# Altium PCB linux_corePCB.PcbDoc
Units mm, origin at the board's own origin, x right, y up, seen from the top; angles counter-clockwise.
Board outline 46 x 36 mm, 2 copper layers (Top Layer, Bottom Layer); 238 components, 260 nets, 1181 pads, 0 vias.
Unrouted connection lines stored in the file: 508.
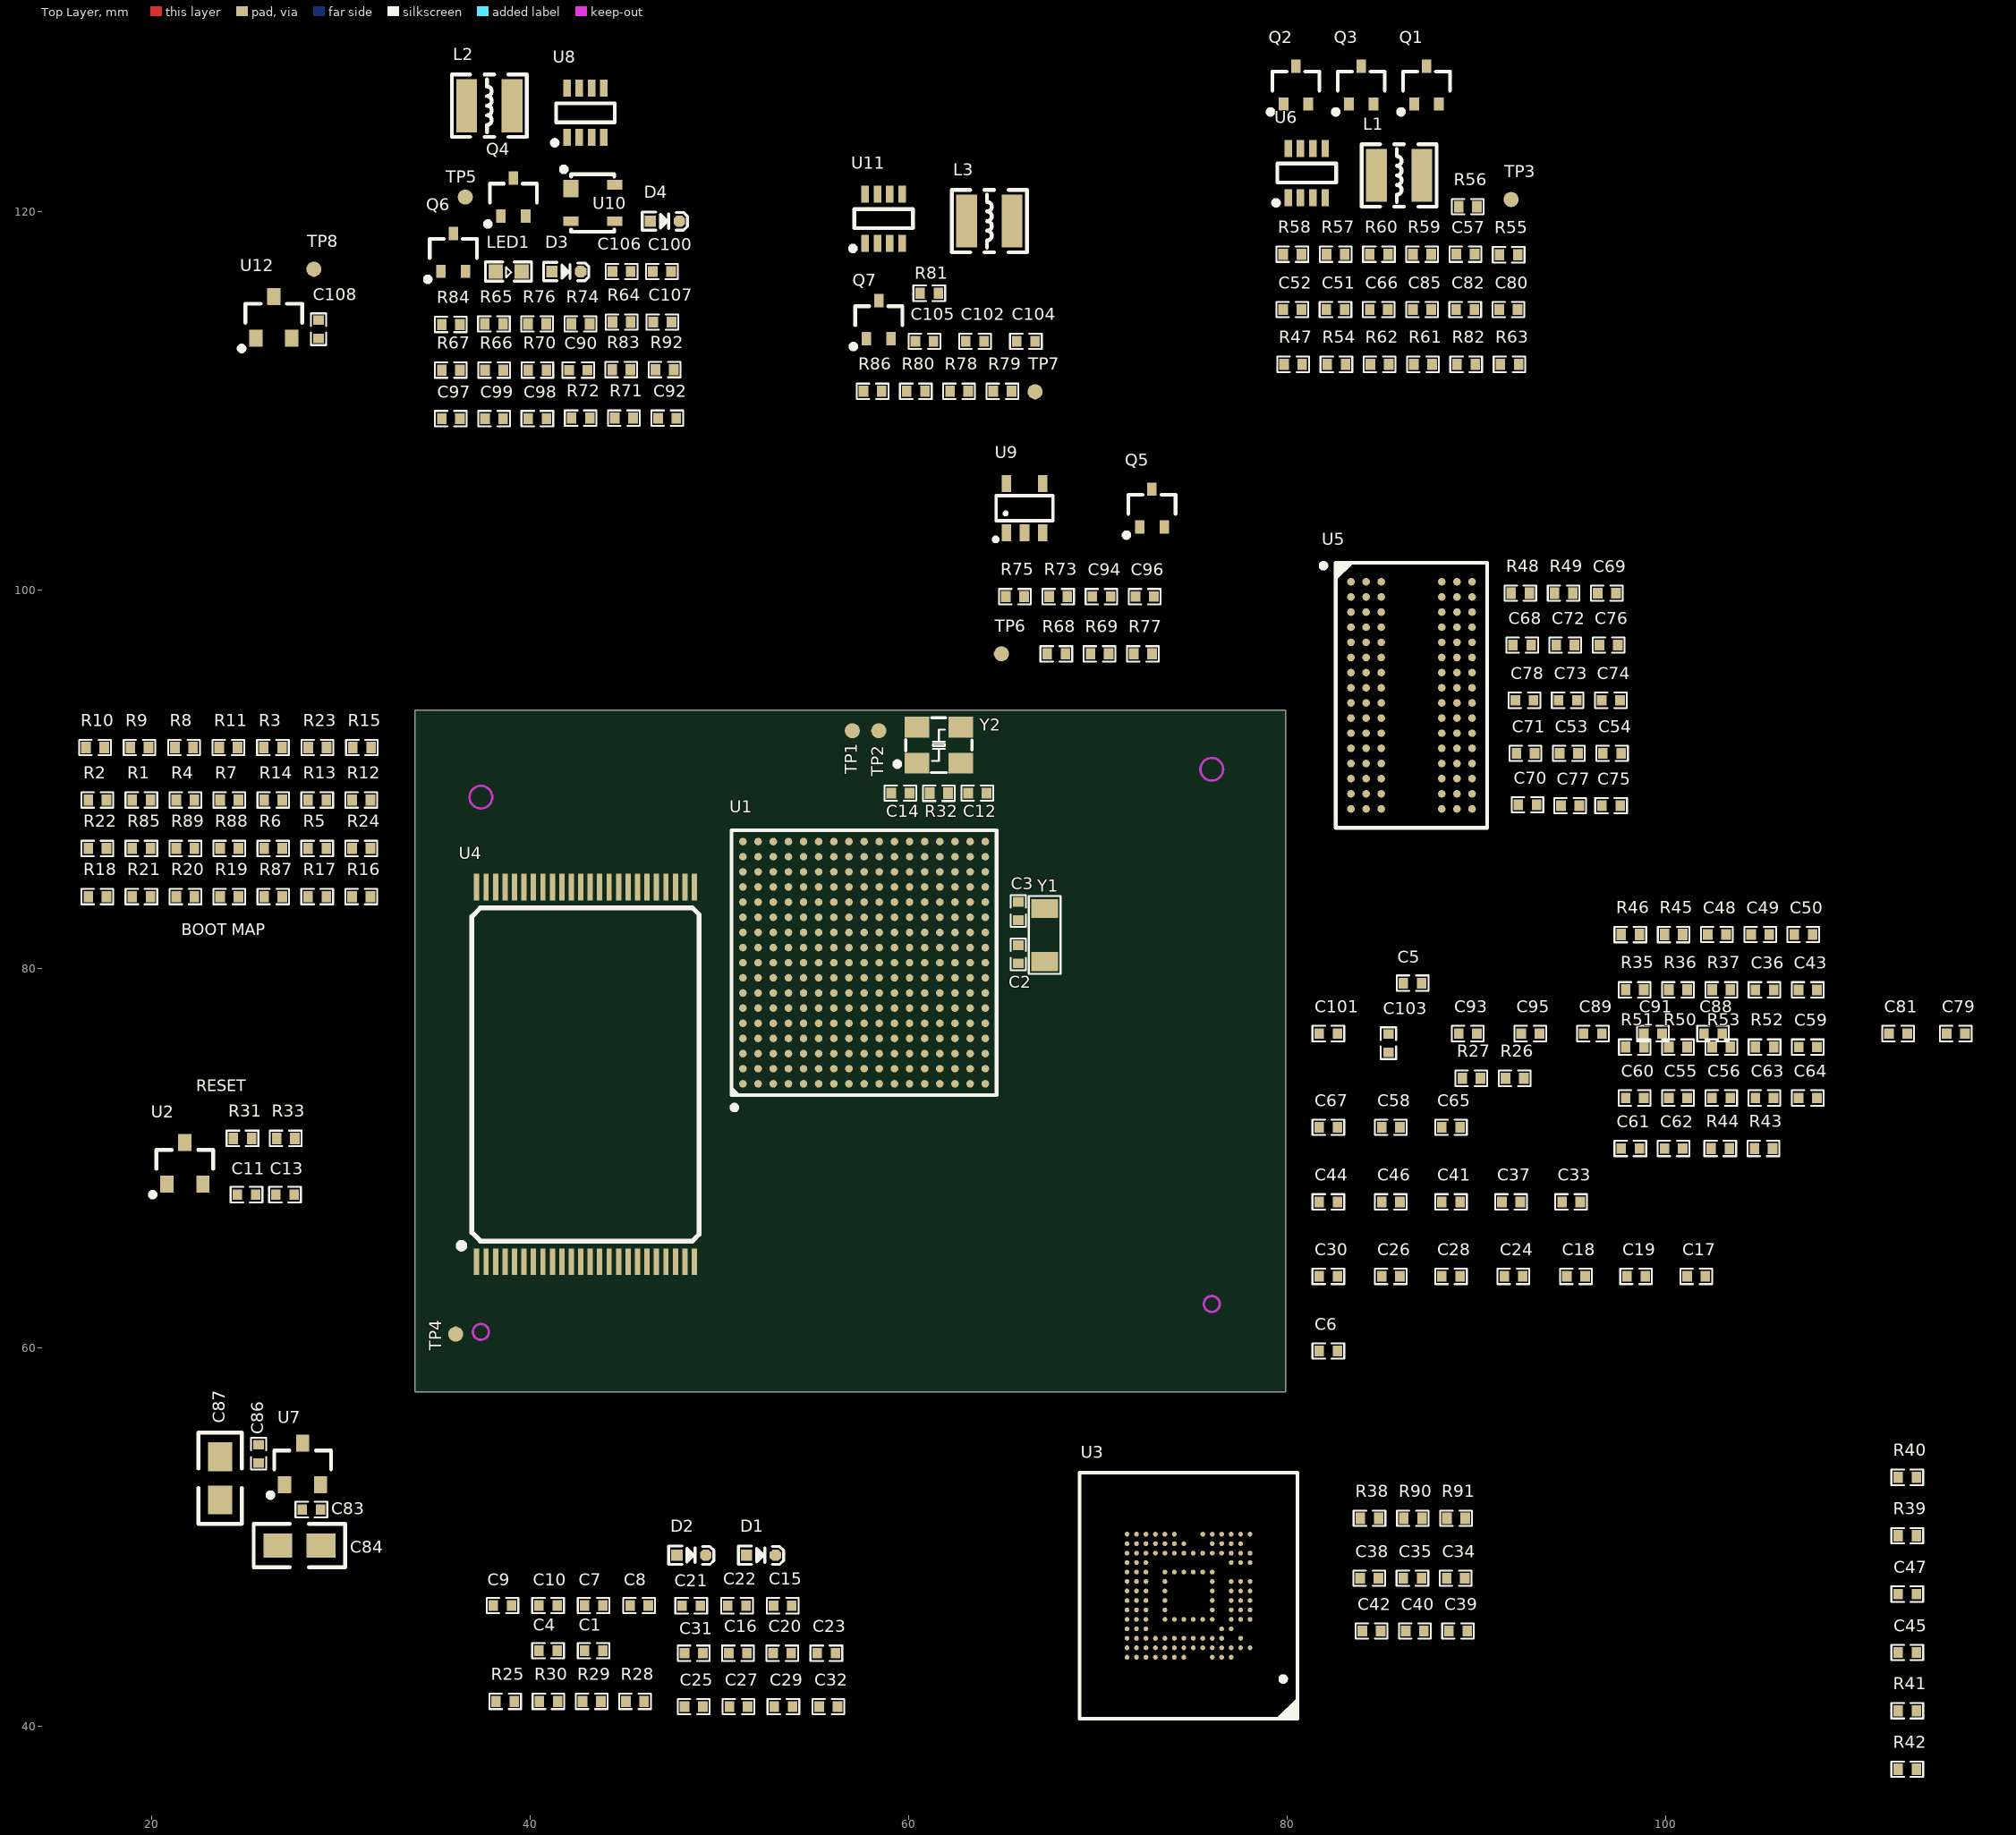
[diagram p0: Top Layer view]
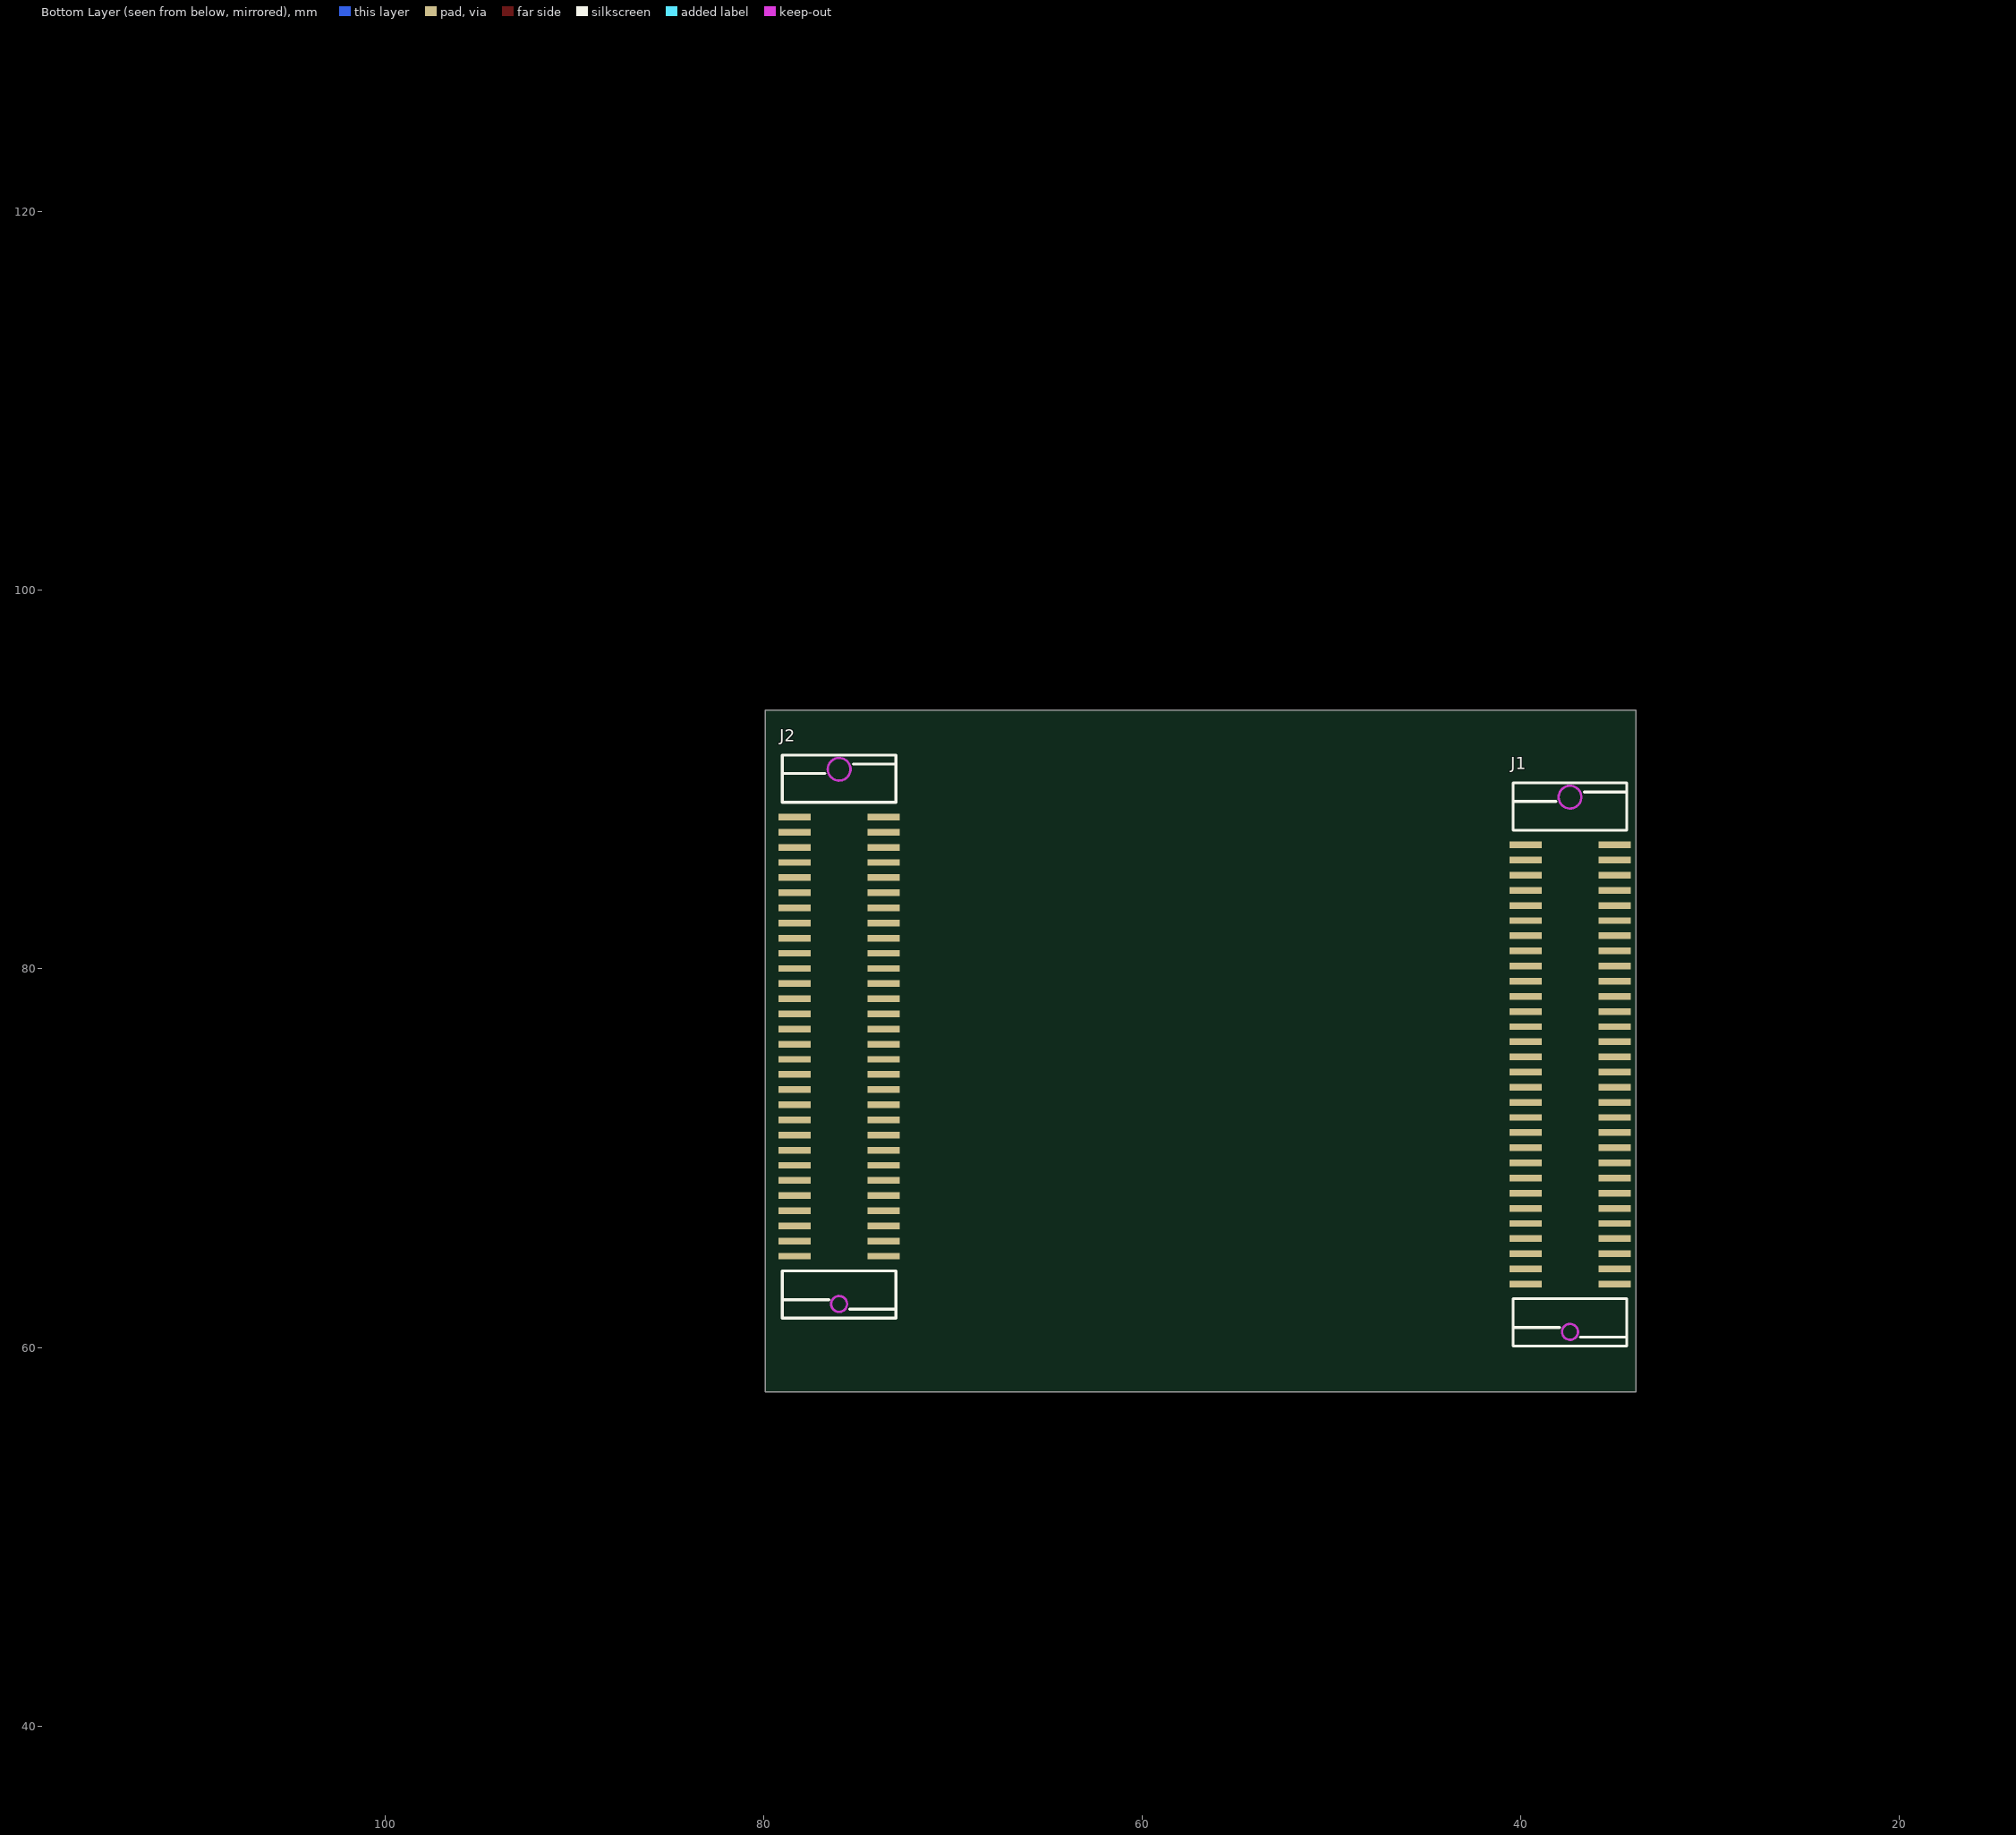
[diagram p1: Bottom Layer view, seen from below]

## Layer stack, top to bottom
Top Solder: solder mask 0.0102, Solder Resist, Dk 3.5
Top Layer: signal copper 0.0356
Dielectric 1: dielectric 0.32, FR-4, Dk 4.8
Bottom Layer: signal copper 0.0356
Bottom Solder: solder mask 0.0102, Solder Resist, Dk 3.5

## Board outline
33.909,57.658 33.909,93.658 79.909,93.658 79.909,57.658

## Design rules (kind name [scope] priority, off if disabled: settings)
Clearance [All] p1: gap=0.254 ignorepadtopadclearanceinfootprint=FALSE except(0: Arc-Hole Track-Hole SMDPad-Hole THPad-Hole Via-Hole Fill-Hole Poly-Hole Region-Hole Text-Hole)
PolygonConnect [All] p1: connectstyle=Relief reliefconductorwidth=0.254 reliefentries=4 polygonreliefangle="90 Angle" airgapwidth=0.254
RoutingVias [All] p1: holewidth=0.711 width=1.27 viastyle="Through Hole" minholewidth=0.711 minwidth=1.27 maxholewidth=0.711 maxwidth=1.27
SolderMaskExpansion [All] p1: expansion=0.102
Width [All] p1: maxlimit=0.254 minlimit=0.254 preferedwidth=0.254
30 further rules are at their usual default settings.

## Classes and differential pairs
component class IMX6ULL_CORE_sch8: C79 C80 C81 C82 C83 C84 C85 C86 C87 C88 C89 C90 C91 C92 C93 C94 C95 C96 C97 C98 C99 C100 C101 C102 C103 C104 C105 C106 C107 C108 D3 D4 L1 L2 L3 LED1 Q1 Q2 Q3 Q4 Q5 Q6 Q7 R56 R57 R58 R59 R60 R61 R62 R63 R64 R65 R66 R67 R68 R69 R70 R71 R72 R73 R74 R75 R76 R77 R78 R79 R80 R81 R82 R83 R84 R86 R92 TP3 TP4 TP5 TP6 TP7 TP8 U6 U7 U8 U9 U10 U11 U12
component class IMX6ULL_CORE_sch7: J1 J2 TP1 TP2
component class IMX6ULL_CORE_sch6: C51 C52 C53 C54 C55 C56 C57 C58 C59 C60 C61 C62 C63 C64 C65 C66 C67 C68 C69 C70 C71 C72 C73 C74 C75 C76 C77 C78 R47 R48 R49 R50 R51 R52 R53 R54 R55 U5
component class IMX6ULL_CORE_sch5: C48 C49 C50 R43 R44 R45 R46
component class IMX6ULL_CORE_sch4: C33 C34 C35 C36 C37 C38 C39 C40 C41 C42 C43 C44 C45 C46 C47 R35 R36 R37 R38 R39 R40 R41 R42 R90 R91 U3 U4
component class IMX6ULL_CORE_sch3: C15 C16 C17 C18 C19 C20 C21 C22 C23 C24 C25 C26 C27 C28 C29 C30 C31 C32 D1 D2 R34 U1
component class IMX6ULL_CORE_sch2: C1 C2 C3 C4 C5 C6 C7 C8 C9 C10 C11 C12 C13 C14 R25 R26 R27 R28 R29 R30 R31 R32 R33 U2 Y1 Y2
component class IMX6ULL_CORE_sch1: R1 R2 R3 R4 R5 R6 R7 R8 R9 R10 R11 R12 R13 R14 R15 R16 R17 R18 R19 R20 R21 R22 R23 R24 R85 R87 R88 R89

## Components (designator, comment, footprint, x,y, rotation, side; value= is the part's Value field where it differs from the comment)
C1 "104" "C 0402" 43.358,43.978 r0 top
C2 "104" "C 0402" 65.786,80.772 r270 top
C3 "104" "C 0402" 65.786,83.058 r90 top
C4 "104" "C 0402" 40.95,43.978 r0 top
C5 "104" "C 0402" 86.614,79.248 r180 top
C6 "104" "C 0402" 82.169,59.817 r0 top
C7 "104" "C 0402" 43.358,46.366 r0 top
C8 "104" "C 0402" 45.766,46.366 r0 top
C9 "104" "C 0402" 38.542,46.366 r0 top
C10 "104" "C 0402" 40.95,46.366 r0 top
C11 "104" "C 0402" 25.019,68.072 r0 top
C12 "104" "C 0402" 63.627,89.281 r0 top
C13 "104" "C 0402" 27.051,68.072 r0 top
C14 "104" "C 0402" 59.563,89.281 r0 top
C15 "104" "C 0402" 53.34,46.355 r0 top
C16 "104" "C 0402" 50.977,43.844 r0 top
C17 "104" "C 0402" 101.6,63.754 r0 top
C18 "104" "C 0402" 95.25,63.754 r0 top
C19 "104" "C 0402" 98.425,63.754 r0 top
C20 "104" "C 0402" 53.314,43.844 r0 top
C21 "104" "C 0402" 48.514,46.355 r0 top
C22 "104" "C 0402" 50.927,46.355 r0 top
C23 "104" "C 0402" 55.651,43.844 r0 top
C24 "104" "C 0402" 91.948,63.754 r0 top
C25 "104" "C 0402" 48.64,41.021 r0 top
C26 "104" "C 0402" 85.471,63.754 r0 top
C27 "104" "C 0402" 51.011,41.021 r0 top
C28 "104" "C 0402" 88.646,63.754 r0 top
C29 "104" "C 0402" 53.382,41.021 r0 top
C30 "104" "C 0402" 82.169,63.754 r0 top
C31 "104" "C 0402" 48.64,43.844 r0 top
C32 "104" "C 0402" 55.753,41.021 r0 top
C33 "104" "C 0402" 94.996,67.691 r0 top
C34 "104" "C 0402" 88.896,47.812 r0 top
C35 "104" "C 0402" 86.612,47.812 r0 top
C36 "104" "C 0402" 105.208,78.892 r0 top
C37 "104" "C 0402" 91.821,67.691 r0 top
C38 "104" "C 0402" 84.327,47.812 r0 top
C39 "104" "C 0402" 89.018,45.018 r0 top
C40 "104" "C 0402" 86.734,45.018 r0 top
C41 "104" "C 0402" 88.646,67.691 r0 top
C42 "104" "C 0402" 84.449,45.018 r0 top
C43 "104" "C 0402" 107.493,78.892 r0 top
C44 "104" "C 0402" 82.169,67.691 r0 top
C45 "104" "C 0402" 112.75,43.885 r0 top
C46 "104" "C 0402" 85.471,67.691 r0 top
C47 "104" "C 0402" 112.75,46.969 r0 top
C48 "104" "C 0402" 102.694,81.813 r0 top
C49 "104" "C 0402" 104.978,81.813 r0 top
C50 "104" "C 0402" 107.263,81.813 r0 top
C51 "104" "C 0402" 82.546,114.836 r0 top
C52 "104" "C 0402" 80.262,114.836 r0 top
C53 "104" "C 0402" 94.869,91.389 r0 top
C54 "104" "C 0402" 97.153,91.389 r0 top
C55 "104" "C 0402" 100.636,73.177 r0 top
C56 "104" "C 0402" 102.921,73.177 r0 top
C57 "104" "C 0402" 89.407,117.757 r0 top
C58 "104" "C 0402" 85.471,71.628 r0 top
C59 "104" "C 0402" 107.496,75.87 r0 top
C60 "104" "C 0402" 98.352,73.177 r0 top
C61 "104" "C 0402" 98.122,70.51 r0 top
C62 "104" "C 0402" 100.406,70.51 r0 top
C63 "104" "C 0402" 105.205,73.177 r0 top
C64 "104" "C 0402" 107.49,73.177 r0 top
C65 "104" "C 0402" 88.646,71.628 r0 top
C66 "104" "C 0402" 84.83,114.836 r0 top
C67 "104" "C 0402" 82.169,71.628 r0 top
C68 "104" "C 0402" 92.404,97.109 r0 top
C69 "104" "C 0402" 96.88,99.848 r0 top
C70 "104" "C 0402" 92.688,88.672 r0 top
C71 "104" "C 0402" 92.585,91.389 r0 top
C72 "104" "C 0402" 94.689,97.109 r0 top
C73 "104" "C 0402" 94.809,94.188 r0 top
C74 "104" "C 0402" 97.094,94.188 r0 top
C75 "104" "C 0402" 97.104,88.621 r0 top
C76 "104" "C 0402" 96.973,97.109 r0 top
C77 "104" "C 0402" 94.945,88.621 r0 top
C78 "104" "C 0402" 92.525,94.188 r0 top
C79 "104" "C 0402" 115.316,76.581 r0 top
C80 "104" "C 0402" 91.684,114.836 r0 top
C81 "104" "C 0402" 112.268,76.581 r0 top
C82 "104" "C 0402" 89.399,114.836 r0 top
C83 "104" "C 0402" 28.448,51.435 r0 top
C84 "22uF" "C 0805" 26.67,49.53 r0 top
C85 "104" "C 0402" 87.115,114.836 r0 top
C86 "104" "C 0402" 25.654,54.381 r90 top
C87 "22uF" "C 0805" 23.622,51.943 r90 top
C88 "104" "C 0402" 102.489,76.581 r0 top
C89 "104" "C 0402" 96.139,76.581 r0 top
C90 "104" "C 0402" 42.545,111.633 r0 top
C91 "104" "C 0402" 99.314,76.581 r0 top
C92 "104" "C 0402" 47.243,109.097 r0 top
C93 "104" "C 0402" 89.535,76.581 r0 top
C94 "104" "C 0402" 70.182,99.67 r0 top
C95 "104" "C 0402" 92.837,76.581 r0 top
C96 "104" "C 0402" 72.466,99.67 r0 top
C97 "104" "C 0402" 35.813,109.072 r0 top
C98 "104" "C 0402" 40.382,109.072 r0 top
C99 "104" "C 0402" 38.098,109.072 r0 top
C100 "104" "C 0402" 46.965,116.84 r180 top
C101 "104" "C 0402" 82.169,76.581 r0 top
C102 "104" "C 0402" 63.5,113.157 r180 top
C103 "104" "C 0402" 85.344,76.073 r90 top
C104 "104" "C 0402" 66.192,113.157 r0 top
C105 "104" "C 0402" 60.833,113.157 r0 top
C106 "104" "C 0402" 44.831,116.84 r180 top
C107 "104" "C 0402" 46.99,114.173 r180 top
C108 "104" "C 0402" 28.829,113.792 r90 top
D1 "RB521S-30" SOD-523 52.197,49.022 r0 top
D2 "RB521S-30" SOD-523 48.514,49.022 r0 top
D3 "RB521S-30" SOD-523 41.91,116.84 r0 top
D4 "RB521S-30" SOD-523 47.117,119.507 r0 top
J1 "3710M060046G3FT01" 3710F060046G3FT01 39.751,63.349 r0 bottom
J2 "3710M060046G3FT01" 3710F060046G3FT01 78.359,64.822 r0 bottom
L1 "2.2uH" NR3015 85.909,121.92 r0 top
L2 "2.2uH" NR3015 37.846,125.603 r0 top
L3 "2.2uH" NR3015 64.262,119.507 r0 top
LED1 "PWR" "LED 0603B" 38.862,116.84 r0 top
Q1 "2SK3018" SC70-3L 87.355,126.696 r0 top
Q2 "2SK3018" SC70-3L 80.455,126.696 r0 top
Q3 "2SK3018" SC70-3L 83.905,126.696 r0 top
Q4 "2SK3018" SC70-3L 39.116,120.777 r0 top
Q5 "2SK3018" SC70-3L 72.85,104.341 r0 top
Q6 "2SK3018" SC70-3L 35.941,117.856 r0 top
Q7 "2SK3018" SC70-3L 58.42,114.3 r0 top
R1 "47K" "R 0402" 19.467,88.925 r0 top
R2 "47K" "R 0402" 17.145,88.925 r0 top
R3 "47K" "R 0402" 26.416,91.694 r0 top
R4 "47K" "R 0402" 21.79,88.925 r0 top
R5 "47K" "R 0402" 28.756,86.36 r0 top
R6 "47K" "R 0402" 26.434,86.36 r0 top
R7 "47K" "R 0402" 24.112,88.925 r0 top
R8 "47K" "R 0402" 21.717,91.694 r0 top
R9 "47K" "R 0402" 19.367,91.694 r0 top
R10 "47K" "R 0402" 17.018,91.694 r0 top
R11 "47K" "R 0402" 24.066,91.694 r0 top
R12 "47K" "R 0402" 31.079,88.925 r0 top
R13 "47K" "R 0402" 28.756,88.925 r0 top
R14 "47K" "R 0402" 26.434,88.925 r0 top
R15 "47K" "R 0402" 31.115,91.694 r0 top
R16 "47K" "R 0402" 31.079,83.82 r0 top
R17 "47K" "R 0402" 28.756,83.82 r0 top
R18 "47K" "R 0402" 17.145,83.82 r0 top
R19 "47K" "R 0402" 24.112,83.82 r0 top
R20 "47K" "R 0402" 21.79,83.82 r0 top
R21 "47K" "R 0402" 19.467,83.82 r0 top
R22 "47K" "R 0402" 17.145,86.36 r0 top
R23 "47K" "R 0402" 28.765,91.694 r0 top
R24 "47K" "R 0402" 31.079,86.36 r0 top
R25 "10K" "R 0402" 38.684,41.3 r0 top
R26 "100K" "R 0402" 92.008,74.219 r0 top
R27 "10K" "R 0402" 89.722,74.219 r0 top
R28 "10R" "R 0402" 45.542,41.3 r0 top
R29 "10K" "R 0402" 43.256,41.3 r0 top
R30 "10K" "R 0402" 40.97,41.3 r0 top
R31 "1.5K" "R 0402" 24.809,71.044 r0 top
R32 "1M" "R 0402" 61.595,89.281 r0 top
R33 "1.5K" "R 0402" 27.095,71.044 r0 top
R35 "10R" "R 0402" 98.351,78.892 r0 top
R36 "10R" "R 0402" 100.637,78.892 r0 top
R37 "10R" "R 0402" 102.923,78.892 r0 top
R38 "10K" "R 0402" 84.344,50.978 r0 top
R39 "10K" "R 0402" 112.751,50.053 r0 top
R40 "10K" "R 0402" 112.751,53.137 r0 top
R41 "10K" "R 0402" 112.751,40.803 r0 top
R42 "10K" "R 0402" 112.751,37.719 r0 top
R43 "10R" "R 0402" 105.156,70.51 r0 top
R44 "10R" "R 0402" 102.87,70.51 r0 top
R45 "0R" "R 0402" 100.409,81.813 r0 top
R46 "10R" "R 0402" 98.123,81.813 r0 top
R47 "470R" "R 0402" 80.305,111.938 r0 top
R48 "240R" "R 0402" 92.309,99.847 r0 top
R49 "240R" "R 0402" 94.595,99.847 r0 top
R50 "10k" "R 0402" 100.639,75.869 r0 top
R51 "10k" "R 0402" 98.353,75.869 r0 top
R52 "10k" "R 0402" 105.211,75.869 r0 top
R53 "240R" "R 0402" 102.925,75.869 r0 top
R54 "1.5K" "R 0402" 82.591,111.938 r0 top
R55 "1.5K" "R 0402" 91.694,117.729 r0 top
R56 "130K" "R 0402" 89.535,120.269 r0 top
R57 "200K" "R 0402" 82.55,117.756 r0 top
R58 "510K" "R 0402" 80.264,117.756 r0 top
R59 "50R" "R 0402" 87.122,117.756 r0 top
R60 "10K" "R 0402" 84.836,117.756 r0 top
R61 "100K" "R 0402" 87.163,111.938 r0 top
R62 "100K" "R 0402" 84.877,111.938 r0 top
R63 "100K" "R 0402" 91.735,111.938 r0 top
R64 "100K" "R 0402" 44.831,114.173 r0 top
R65 "50R" "R 0402" 38.087,114.075 r0 top
R66 "22K" "R 0402" 38.1,111.636 r0 top
R67 "10K" "R 0402" 35.814,111.636 r0 top
R68 "300K" "R 0402" 67.797,96.645 r0 top
R69 "160K" "R 0402" 70.083,96.645 r0 top
R70 "100K" "R 0402" 40.386,111.636 r0 top
R71 "0R" "R 0402" 44.958,109.096 r0 top
R72 "10K" "R 0402" 42.672,109.096 r0 top
R73 "130K" "R 0402" 67.897,99.669 r0 top
R74 "50R" "R 0402" 42.659,114.075 r0 top
R75 "100K" "R 0402" 65.611,99.669 r0 top
R76 "1M" "R 0402" 40.373,114.075 r0 top
R77 "0R" "R 0402" 72.369,96.645 r0 top
R78 "200K" "R 0402" 62.662,110.515 r0 top
R79 "10K" "R 0402" 64.948,110.515 r0 top
R80 "50R" "R 0402" 60.376,110.515 r0 top
R81 "160K" "R 0402" 61.087,115.697 r0 top
R82 "0R" "R 0402" 89.449,111.938 r0 top
R83 "0R" "R 0402" 44.818,111.662 r0 top
R84 "470R" "R 0402" 35.814,114.046 r0 top
R85 "47K" "R 0402" 19.467,86.36 r0 top
R86 "0R" "R 0402" 58.09,110.515 r0 top
R87 "47K" "R 0402" 26.434,83.82 r0 top
R88 "47K" "R 0402" 24.112,86.36 r0 top
R89 "47K" "R 0402" 21.79,86.36 r0 top
R90 "10K" "R 0402" 86.63,50.978 r0 top
R91 "10K" "R 0402" 88.916,50.978 r0 top
R92 "0R" "R 0402" 47.104,111.662 r0 top
TP1 "CLK1_P" TP-1.0 57.023,92.583 r90 top
TP2 "CLK1_N" TP-1.0 58.42,92.583 r90 top
TP3 "SOC_IN" TP-1.0 91.821,120.65 r0 top
TP4 "SNVS_3V3" TP-1.0 36.068,60.706 r90 top